# Altium PCB USB-GPIB-hammond.PcbDoc (continued)
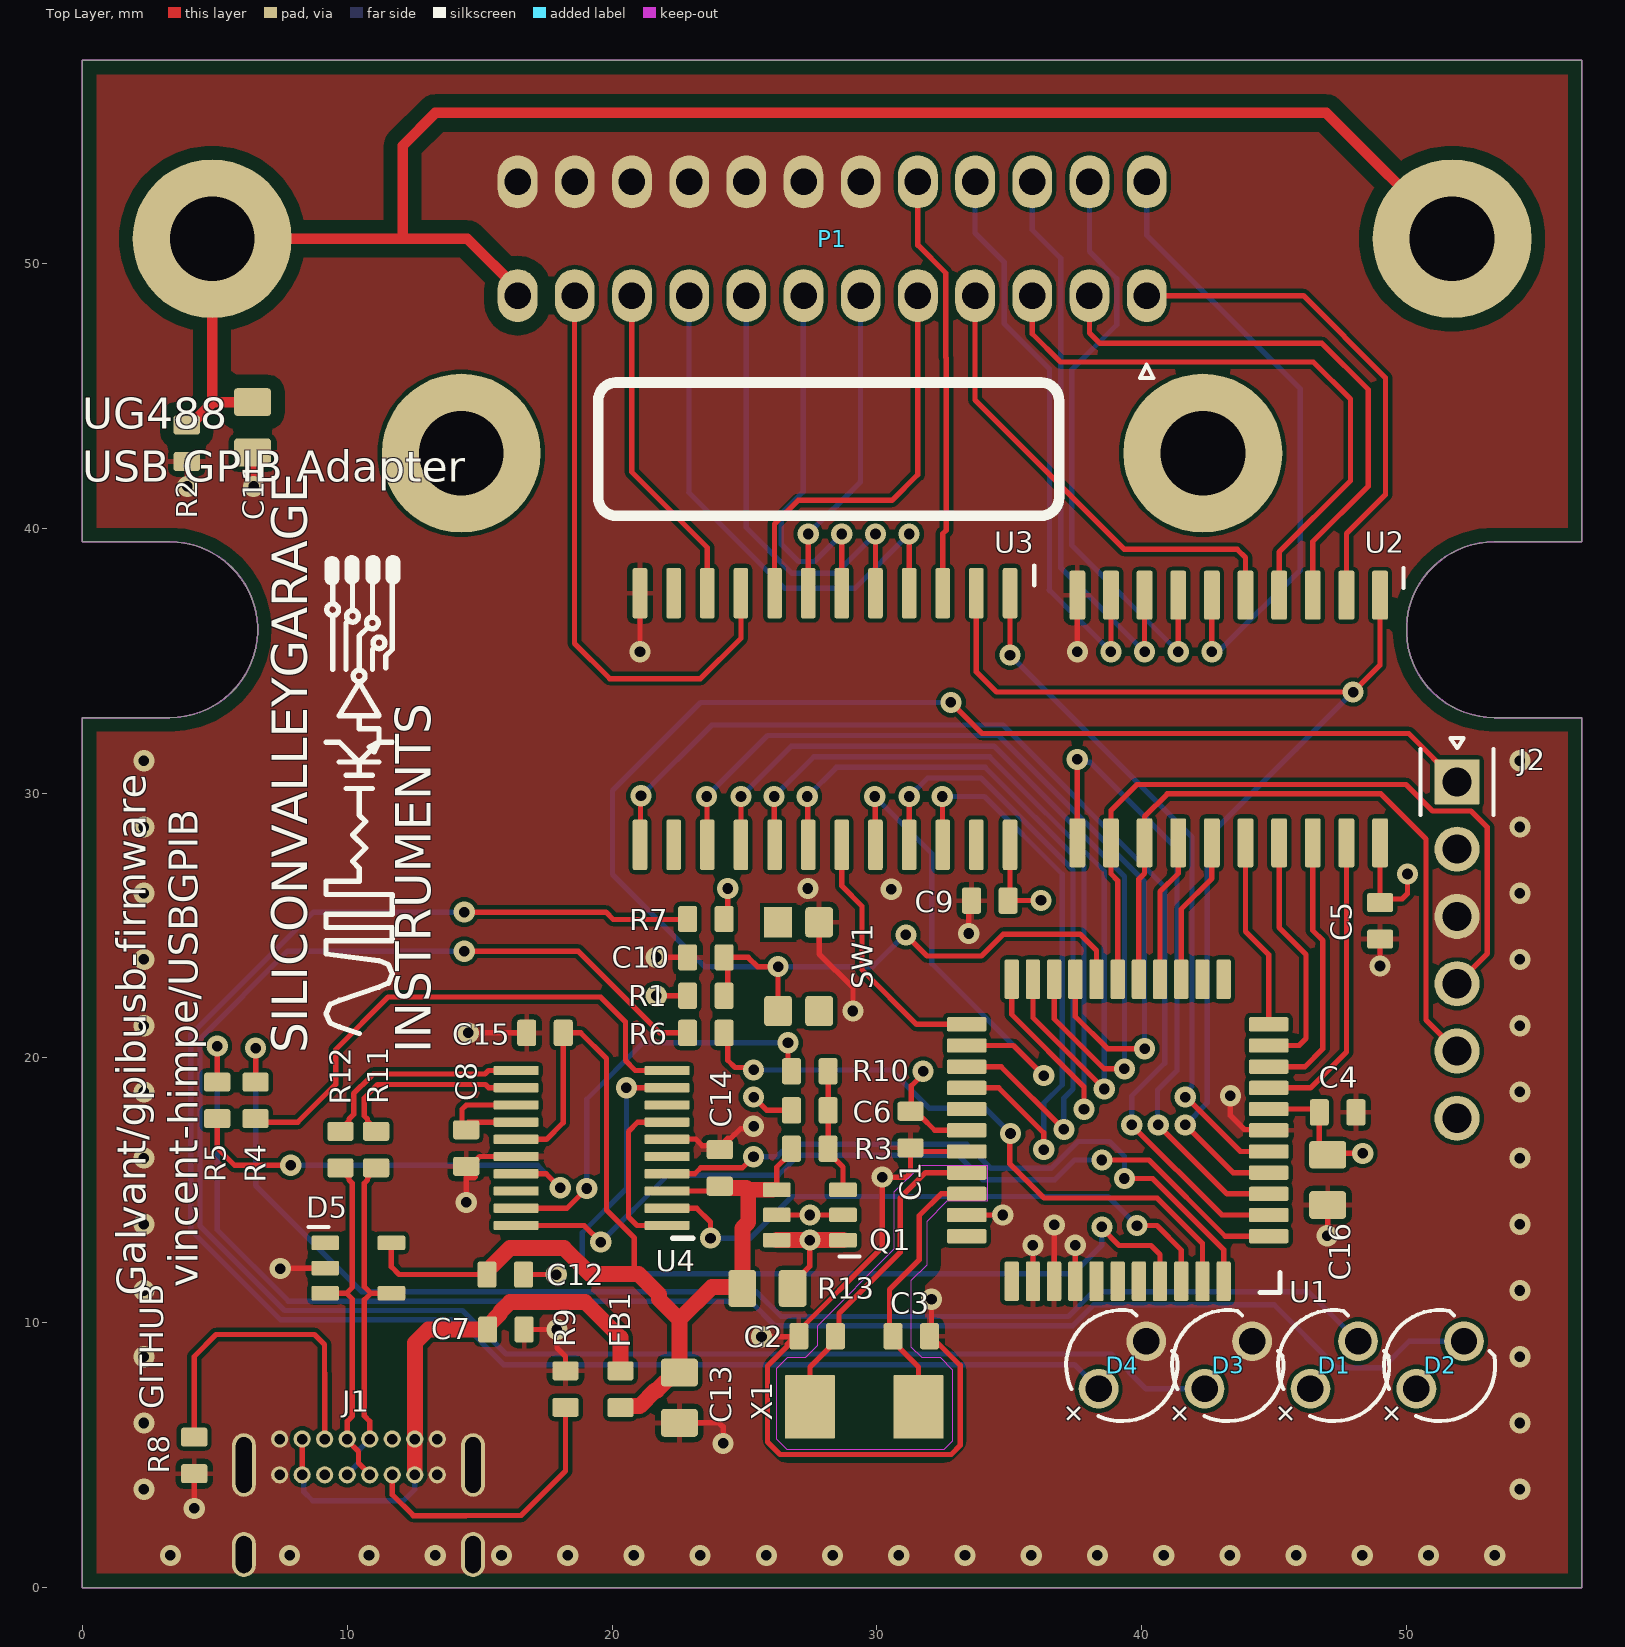
[diagram p0: Top Layer view]
## Footprints (in the part's own frame and the unit in brackets; to place one, negate y for a bottom-side part, rotate by r counter-clockwise, add the part's x,y. Pads: shape width x height; smd on the part's side, far side on the other; paste and mask are expansions set on the pad)
CAPC0603 [mm] "CAPACITOR, CHIP 0603 (1608) 0.5MM THICK"
  rrect25% 0.72x0.99 smd paste+0 mask+0.075: 1(-0.69,0) 2(0.69,0)
  body extent -0.81,-0.41 0.81,0.41, height 0.51
CAPC0805 [mm] "CAPACITOR, CHIP 0805 (2012) 0.85MM THICK"
  rrect25% 1.05x1.4 smd paste+0 mask+0.075: 1(-0.95,0) 2(0.95,0)
  body extent -1.01,-0.63 1.01,0.64, height 0.86
CONN-GCT-USB4085 [mm]
  rrect100% 0.9x2.4 hole 2.1 slot 0.6 at 0 deg paste-2539.97 mask+0.05: 1(-4.325,3.045) 2(4.325,3.045)
  rrect100% 0.9x1.7 hole 1.4 slot 0.6 at 0 deg paste-2539.97 mask+0.05: 3(-4.325,-0.335) 4(4.325,-0.335)
  round 0.65 hole 0.4 paste-2539.97 mask+0.05: A1(-2.975,4.025) A4(-2.125,4.025) A5(-1.275,4.025) A6(-0.425,4.025) A7(0.425,4.025) A8(1.275,4.025) A9(2.125,4.025) A12(2.975,4.025) B1(2.975,2.675) B4(2.125,2.675) B5(1.275,2.675) B6(0.425,2.675) B7(-0.425,2.675) B8(-1.275,2.675) B9(-2.125,2.675) B12(-2.975,2.675)
  body extent -4.87,-4.83 4.87,4.83, height 0.25
CONN-NORCOMP-112-024-113R001 [mm] "GPIB MALE RA"
  oval 1.5x2 hole 1 paste-2539.97 mask+0.05: 1(11.874,-2.146) 2(9.716,-2.146) 3(7.556,-2.146) 4(5.397,-2.146) 5(3.238,-2.146) 6(1.079,-2.146) 7(-1.079,-2.146) 8(-3.238,-2.146) 9(-5.397,-2.146) 10(-7.556,-2.146) 11(-9.716,-2.146) 12(-11.874,-2.146) 13(11.874,2.146) 14(9.716,2.146) 15(7.556,2.146) 16(5.397,2.146) 17(3.238,2.146) 18(1.079,2.146) 19(-1.079,2.146) 20(-3.238,2.146) 21(-5.397,2.146) 22(-7.556,2.146) 23(-9.716,2.146) 24(-11.874,2.146)
  round 6 hole 3.2 paste-2539.97 mask+0.254: ME1(23.406,0) ME2(-23.406,0)
  silkscreen extent 11.63,-5.25 12.12,-4.75, body extent -27.36,-4.4 27.34,20, height 15.61
FB0603 [mm] "FERRITE BEAD 0603 (1608)"
  rrect25% 0.72x0.99 smd mask+0.075: 1(-0.69,0) 2(0.7,0)
  body extent -0.8,-0.4 0.8,0.4, height 0.95
HEADER-1X6 [mm]
  rrect5% 1.7x1.7 hole 1.1 mask+0.05: 1(-6.35,0)
  round 1.7 hole 1.1 mask+0.05: 2(-3.81,0) 3(-1.27,0) 4(1.27,0) 5(3.81,0) 6(6.35,0)
  silkscreen extent -8,-1.38 -5.1,1.38, body extent -7.62,-1.27 7.62,1.27, height 8.55
LED-3MM-GREEN [mm]
  round 1.5 hole 1: 1(1.27,0) 2(-1.27,0)
  silkscreen extent -2,-2.1 1.69,2.1, body extent -1.99,-1.96 1.63,1.96, height 5.35
LOGO [mm]
  silkscreen extent -2.23,-2 2.23,2
QFP80P1200X1200-44N [mm] "TQFP80P1200X1200 44N"
  rrect25% 1.5x0.54 smd mask+0.075: 1(-5.7,4) 2(-5.7,3.2) 3(-5.7,2.4) 4(-5.7,1.6) 5(-5.7,0.8) 6(-5.7,0) 7(-5.7,-0.8) 8(-5.7,-1.6) 9(-5.7,-2.4) 10(-5.7,-3.2) 11(-5.7,-4) 23(5.7,-4) 24(5.7,-3.2) 25(5.7,-2.4) 26(5.7,-1.6) 27(5.7,-0.8) 28(5.7,0) 29(5.7,0.8) 30(5.7,1.6) 31(5.7,2.4) 32(5.7,3.2) 33(5.7,4)
  rrect25% 0.54x1.5 smd mask+0.075: 12(-4,-5.7) 13(-3.2,-5.7) 14(-2.4,-5.7) 15(-1.6,-5.7) 16(-0.8,-5.7) 17(0,-5.7) 18(0.8,-5.7) 19(1.6,-5.7) 20(2.4,-5.7) 21(3.2,-5.7) 22(4,-5.7) 34(4,5.7) 35(3.2,5.7) 36(2.4,5.7) 37(1.6,5.7) 38(0.8,5.7) 39(0,5.7) 40(-0.8,5.7) 41(-1.6,5.7) 42(-2.4,5.7) 43(-3.2,5.7) 44(-4,5.7)
  silkscreen extent -6.12,5.37 -5.37,6.12, body extent -6,-6 6,6, height 1.1
RESC0603 [mm] "RESISTOR, CHIP 0603 (1608)"
  rrect25% 0.72x0.99 smd paste+0 mask+0.075: 1(-0.69,0) 2(0.69,0)
  body extent -0.8,-0.4 0.8,0.4, height 0.37
RESC0805 [mm] "RESISTOR, CHIP 0805 (2012)"
  rrect25% 1.05x1.4 smd paste+0 mask+0.075: 1(-0.95,0) 2(0.95,0)
  body extent -1,-0.63 1,0.63, height 0.47
SO65P640X110-20N [mm] "TSSOP20 - PITCH 0.65MM, SPAN 6.4MM"
  rrect25% 1.7x0.35 smd mask+0.075: 1(-2.859,2.92) 2(-2.859,2.27) 3(-2.859,1.62) 4(-2.859,0.97) 5(-2.859,0.32) 6(-2.859,-0.33) 7(-2.859,-0.98) 8(-2.859,-1.63) 9(-2.859,-2.28) 10(-2.859,-2.93) 11(2.841,-2.93) 12(2.841,-2.28) 13(2.841,-1.63) 14(2.841,-0.98) 15(2.841,-0.33) 16(2.841,0.32) 17(2.841,0.97) 18(2.841,1.62) 19(2.841,2.27) 20(2.841,2.92)
  silkscreen extent -3.83,3.4 -3.08,3.4, body extent -3.32,-3.3 3.28,3.3, height 1.79
SO127P1030-20N [mm] "SOIC, 20-LEADS, BODY 12.80X7.50MM, PITCH 1.27MM, IPC MEDIUM DENSITY"
  rrect25% 1.85x0.6 smd mask+0.075: 1(-4.675,5.715) 2(-4.675,4.445) 3(-4.675,3.175) 4(-4.675,1.905) 5(-4.675,0.635) 6(-4.675,-0.635) 7(-4.675,-1.905) 8(-4.675,-3.175) 9(-4.675,-4.445) 10(-4.675,-5.715) 11(4.675,-5.715) 12(4.675,-4.445) 13(4.675,-3.175) 14(4.675,-1.905) 15(4.675,-0.635) 16(4.675,0.635) 17(4.675,1.905) 18(4.675,3.175) 19(4.675,4.445) 20(4.675,5.715)
  silkscreen extent -5.7,6.6 -4.95,6.6, body extent -5.15,-6.5 5.15,6.5, height 2.65
SO127P1030-24N [mm] "SOP, 24-LEADS, BODY 15.40X7.50MM, PITCH 1.27MM, IPC MEDIUM DENSITY"
  rrect25% 1.9x0.55 smd mask+0.075: 1(-4.75,6.985) 2(-4.75,5.715) 3(-4.75,4.445) 4(-4.75,3.175) 5(-4.75,1.905) 6(-4.75,0.635) 7(-4.75,-0.635) 8(-4.75,-1.905) 9(-4.75,-3.175) 10(-4.75,-4.445) 11(-4.75,-5.715) 12(-4.75,-6.985) 13(4.75,-6.985) 14(4.75,-5.715) 15(4.75,-4.445) 16(4.75,-3.175) 17(4.75,-1.905) 18(4.75,-0.635) 19(4.75,0.635) 20(4.75,1.905) 21(4.75,3.175) 22(4.75,4.445) 23(4.75,5.715) 24(4.75,6.985)
  silkscreen extent -5.8,7.9 -5.05,7.9, body extent -5.16,-7.8 5.16,7.8, height 2.65
SOT23-5 [mm] "SOT23 PACKAGE, 5 PIN (SOT25)"
  rrect25% 1.05x0.55 smd paste+0 mask+0.075: 1(-1.25,0.95) 2(-1.25,0) 3(-1.25,-0.95) 4(1.25,-0.95) 5(1.25,0.95)
  silkscreen extent -1.88,1.55 -1.12,1.55, body extent -1.4,-1.46 1.4,1.44, height 1.45
SOT23-6 [mm] "SOT23 PACKAGE, 6 PIN (SOT26)"
  rrect25% 1.05x0.55 smd paste+0 mask+0.05: 1(-1.25,0.95) 2(-1.25,0) 3(-1.25,-0.95) 4(1.25,-0.95) 5(1.25,0) 6(1.25,0.95)
  silkscreen extent -1.88,1.58 -1.12,1.58, body extent -1.4,-1.45 1.4,1.45, height 1.45
SWITCH-PANASONIC-EVP-AA202K [mm] "SWITCH-PANASONIC-EVP-AA202K"
  rect 1.15x1.05 smd mask+0.075: 1(-1.675,-0.775)
  rrect25% 1.15x1.05 smd mask+0.075: 2(1.675,-0.775) 3(1.675,0.775) 4(-1.675,0.775)
  body extent -2.15,-1.55 2.15,1.55, height 1.71
XTAL-ABRACON-ABM3 [mm]
  rrect5% 1.9x2.4 smd mask+0.05: 1(-2.05,0) 2(2.05,0)
  body extent -2.5,-1.6 2.5,1.6, height 1.31

## Part data
C1 C4 C5 C6 C7 C8 C9 C10 C12 C14 C15: library part CAPC-0603-100nF-50V-X7R, "CAPACITOR,CERAMIC,100nF,50V,X7R,0603", Capacitance=100nF, Dielectric=X7R, LCSC=C127833, Manufacturer 1=KEMET, Manufacturer Part Number 1=C0603C104K5RACTU, Package / Case=0603, Supplier Part Number 1=80-C0603C104K5R7867, Voltage=50V, MOUSER=80-C0603C104K5R, Supplier 1=Mouser, Supplier 2=Mouser, Supplier 3=Avnet, Supplier 4=Digikey, Supplier Part Number 2=80-C0603C104K5R7411, Supplier Part Number 3=KGM15BR71H104KT, Supplier Part Number 4=1276-1000-1-ND
C2 C3: library part CAPC-0603-18PF-50V-C0G, "CAPACITOR,CERAMIC,18pF,50V,C0G,0603", Capacitance=18pF, Dielectric=C0G, LCSC=C2169518, Manufacturer 1=KEMET, Manufacturer Part Number 1=C0603C180K5GACTU, Package / Case=0603, Voltage=50V, MOUSER=80-C0603C180K5G
C11: library part CAPC-0805-10nF-200V-ESD, "CAPACITOR,CERAMIC,10nF,200V,X7R,0805,ESD", Capacitance=10nF, Dielectric=X7R, LCSC=C36911368, Manufacturer 1=KEMET, Manufacturer Part Number 1=C0805C103K2RECAUTO, Package / Case="0805 (2012 metric)", Supplier Part Number 1=80-C0805C103K2RECAUT, Voltage=200V, MOUSER=80-C0805C103K2RECAUT, Supplier 1=Mouser
C13 C16: library part CAPC-0805-10uF-25V, "CAPACITOR,CERAMIC,10uF,25V,X5R,0805", Capacitance=10uF, Dielectric=X7R, LCSC=C3039694, Manufacturer 1=SAMSUNG, Manufacturer Part Number 1=CL21B106KAYQNNE, Package / Case="0805 (2012 metric)", Voltage=25V, MOUSER=187-CL21B106KAYQNNE
D1 D2 D3 D4: "LED,TH,GREEN,42mCd,3MM", Manufacturer 1=WURTH, Manufacturer Part Number 1=151031VS06000, Supplier Part Number 1=78-VLMPG33N1P2, MOUSER=78-VLMPG33N1P2, Supplier 1=Mouser
D5: "DIODE,TVS,DUAL,UNIDIRECTIONAL,USB", LCSC=C22358704, Manufacturer 1=WURTH, Manufacturer Part Number 1=824011, Supplier Part Number 1=732-4465-1-ND, DIGIKEY=732-4465-1-ND, MOUSER=710-824011, Supplier 1=Digikey
FB1: library part FB0603-1KZ-0R2, "FERRITE,1KZ@100MHz,0R2DC,0603", LCSC=C160982, Manufacturer 1=MURATA, Manufacturer Part Number 1=BLM18KG102SN1D, MOUSER=81-BLM18KG102SN1D, Supplier 1="Arrow Electronics", Supplier Part Number 1=BLM18KG102SN1D
G***: library part LOGO, "OSHW LOGO"
J1: "CONN,USB-C,16P,RA,TH,8.94X9.17", LCSC=C7095263, Manufacturer 1=GCT, Manufacturer Part Number 1=USB4085-GF-A, Supplier Part Number 1=2073-USB4085-GF-ACT-ND, MOUSER=640-USB4085-GF-A, Supplier 1=Digikey
P1: "CONN,GPIB,24P,RIGHT ANGLE,TH", Manufacturer 1=NORCOMP, Manufacturer Part Number 1=112-024-113R001, Supplier Part Number 1=1024RMA-ND, MOUSER=636-112-024-113R001, Supplier 1=Digikey
Q1: library part XSTR-VISHAY-SI3443CDV-T1-E3, "XSTR,PMOS,20V,5.97A,VISHAY,SI3443,SOT26", LCSC=C727385, Manufacturer 1=VISHAY, Manufacturer Part Number 1=SI3443CDV-T1-E3, DIGIKEY=SI3443CDV-T1-GE3, MOUSER=781-SI3443CDV-GE3
R1 R3: library part RESC-0603-10K-1%-1/10W, "RESISTOR,10K,1%,100mW,0603 (1608)", LCSC=C98220, Manufacturer 1=YAGEO, Manufacturer Part Number 1=RC0603FR-0710KL, Power=1/10W, Supplier Part Number 1=4023214, Tolerance=1%, MOUSER=603-RC0603FR-0710KL, Supplier 1="Future Electronics", Supplier 2=Digikey, Supplier 3=Mouser, Supplier Part Number 2=RMCF0603FT10K0CT-ND, Supplier Part Number 3=667-ERJ-3EKF1002V
R2: library part RESC-0603-4K7-1%-1/10W, "RESISTOR,4K7,1%,100mW,0603 (1608)", LCSC=C99782, Manufacturer 1=YAGEO, Manufacturer Part Number 1=RC0603FR-074K7L, Power=1/10W, Supplier Part Number 1=5489695, Tolerance=1%, MOUSER=603-RC0603FR-074K7L, Supplier 1="Future Electronics", Supplier 2=Digikey, Supplier 3=Digikey, Supplier 4=Avnet, Supplier Part Number 2=P4.70KHCT-ND, Supplier Part Number 3=RMCF0603FT4K70CT-ND, Supplier Part Number 4=1622960-1
R4 R5 R6 R7 R10: library part RESC-0603-1K-1%-1/10W, "RESISTOR,1K,1%,100mW,0603 (1608)", LCSC=C22548, Manufacturer 1=YAGEO, Manufacturer Part Number 1=RC0603FR-071KL, Power=1/10W, Tolerance=1%, MOUSER=603-RC0603FR-071KL
R8 R9: library part RESC-0603-5K1-1%-1/10W, "RESISTOR,5K1,1%,100mW,0603 (1608)", LCSC=C105580, Manufacturer 1=YAGEO, Manufacturer Part Number 1=RC0603FR-075K1L, Power=1/10W, Tolerance=1%, MOUSER=603-RC0603FR-075K1
R11 R12: library part RESC-0603-27R-1%-1/10W, "RESISTOR,27R,1%,100mW,0603 (1608)", LCSC=C137753, Manufacturer 1=YAGEO, Manufacturer Part Number 1=RC0603FR-0727RL, Power=1/10W, Tolerance=1%, MOUSER=603-RC0603FR-0727RL
R13: library part RESC-0805-0R-JUMPER, "RESISTOR,0R,JUMPER", LCSC=C96345, Manufacturer 1=YAGEO, Manufacturer Part Number 1=RC0805JR-070RL, Power=1/8W, Tolerance=5%, MOUSER=603-RC0805JR-070RL
SW1: "SW,SMD,TACT,4PIN,2.9X3.5,4PIN", LCSC=C483888, Supplier Part Number 1=667-EVP-AA202K, DIGIKEY=EVP-AA202K, MOUSER=667-EVP-AA202K, Supplier 1=Mouser
U1: library part IC-MICROCHIP-PIC18F4520, "IC,CPU,MICROCHIP,PIC18F4520,TQFP44", LCSC=C9734, Manufacturer 1=MICROCHIP, Manufacturer Part Number 1=PIC18F4520-I/PT, MOUSER=579-PIC18F4520-I/PT
U2: library part IC-TI-SN75160B, "IC,XCVR,GPIB,DATA.TI,SN75160DW,SO20W", LCSC=C882412, Manufacturer 1=TI, Manufacturer Part Number 1=SN75160BDWR, MOUSER=595-SN75160BDW
U3: library part IC-TI-SN75162B, "IC,XCVR,GPIB,CONTROL,TI,SN75162DW,SO24W", LCSC=C2863933, Manufacturer 1=TI, Manufacturer Part Number 1=SN75162BDW, MOUSER=595-SN75162BDWR
U4: "IC,XCVR,USB UART,FTDI,FT231XS-R,TSSOP20", LCSC=C132160, Manufacturer 1=FTDI, Manufacturer Part Number 1=FT231XS-R, MOUSER=895-FT231XS-R
X1: library part XTAL-ABRACON-ABM3-18.432MHZ-D2Y-T, "XTAL,18.432MHz,ABRACON ABM3,SMD5032", Frequency=18.432MHz, LCSC=C1985331, Manufacturer 1=ABRACON, Manufacturer Part Number 1=ABM3-18.432MHZ-D2Y-T, MOUSER=815-ABM3-18.43-D2Y-T

## Free pads (board coordinates)
  round 6 hole 3.2 unplated: ME5(42.305,42.83) ME6(14.305,42.83)

## Via types
v1: diameter 0.8, hole 0.4, Top Layer to Bottom Layer, tented both sides, 127 vias
v2: diameter 0.8, hole 0.4, Top Layer to Bottom Layer, 4 vias

## Nets (pads, with @x,y where several pads share a name; then routed paths per layer and width w, separated by ;. In a path a pad name is that pad's centre, name@x,y a point inside that pad or via, vN(x,y) a via of type N, cw(c..) or ccw(c..) an arc to the next point about the centre after c; other vN are vias at no path point)
ATN: U1.20 U3.16 | length 31.3
  Top Layer w0.2: U3.16 24.864,28.045 24.864,29.868 v1(24.866,29.87) ; U1.20 36.687,21.477 38.579,19.586 v1(39.341,19.586)
  Bottom Layer w0.2: v1(24.866,29.87) 26.766,31.77 34.42,31.77 39.341,26.849 v1(39.341,19.586)
DAV: U1.22 U3.18 | length 29.5
  Top Layer w0.2: v1(27.366,29.87) 27.384,29.851 27.384,28.062 U3.18 ; U1.22 35.087,21.635 37.817,18.906 v1(37.817,18.062)
  Bottom Layer w0.2: v1(27.366,29.87) 28.466,30.97 34.089,30.97 37.817,27.242 v1(37.817,18.062)
DC: U1.2 U3.13 | length 41.4
  Top Layer w0.2: U3.13 21.072,28.063 21.072,29.876 v1(21.091,29.895) ; v1(39.616,17.47) 43.018,14.067 U1.2
  Bottom Layer w0.2: v1(21.091,29.895) 23.766,32.57 34.751,32.57 40.866,26.456 40.866,19.801 39.616,18.551 v1(39.616,17.47)
DIO1: U1.8 U2.19 | length 11.4
  Top Layer w0.2: U1.8 46.369,18.867 47.723,20.221 47.723,23.904 U2.19
DIO2: U1.9 U2.18 | length 10.3
  Top Layer w0.2: U1.9 46.153,19.667 46.834,20.348 46.834,23.904 46.834,24.427 46.453,24.808 U2.18
DIO3: U1.10 U2.17 | length 9.3
  Top Layer w0.2: U1.10 45.937,20.467 46.199,20.729 46.199,23.904 45.183,24.92 U2.17
DIO4: U1.11 U2.16 | length 7.2
  Top Layer w0.2: U2.16 43.913,24.778 44.787,23.904 U1.11
DIO5: U1.14 U2.15 | length 5.6
  Top Layer w0.2: U1.14 41.487,23.904 41.487,25.616 42.643,26.772 U2.15
DIO6: U1.15 U2.14 | length 5.4
  Top Layer w0.2: U1.15 40.687,23.904 40.687,26.277 41.373,26.963 U2.14
DIO7: J2.5 U1.16 U2.13 | length 26.4
  Top Layer w0.2: U1.16 39.887,26.748 40.103,26.964 U2.13 40.103,29.111 40.962,29.97 49.021,29.97 50.728,28.263 50.728,21.432 J2.5
DIO8: J2.4 U1.17 U2.12 | length 28.1
  Top Layer w0.2: U1.17 39.087,26.698 38.833,26.953 U2.12 38.833,29.344 39.811,30.322 49.971,30.322 50.975,29.318 52.429,29.318 53.043,28.704 53.043,23.943 J2.4
EOI: U1.21 U3.17 | length 30.2
  Top Layer w0.2: v1(26.116,29.87) 26.124,29.861 26.124,28.052 U3.17 ; U1.21 35.887,21.515 v1(38.579,18.824)
  Bottom Layer w0.2: v1(26.116,29.87) 27.616,31.37 34.254,31.37 38.579,27.045 v1(38.579,18.824)
ERROR: R6.1 U1.43 | length 24
  Top Layer w0.2: R6.1@24.366,20.945 24.366,19.912 24.641,19.637 25.248,19.637 v1(25.341,19.545) ; v1(35.041,17.145) 35.016,17.12 35.016,15.995 36.303,14.707 40.578,14.707 42.287,12.998 U1.43
  Bottom Layer w0.2: v1(25.341,19.545) 30.526,19.545 31.967,18.103 34.082,18.103 v1(35.041,17.145)
FT_CTS: U1.41 U4.9 | length 33.4
  Top Layer w0.2: v1(20.541,18.87) 20.543,18.872 22.072,18.872 U4.9 ; v1(38.491,13.62) 38.491,13.57 39.141,12.92 40.341,12.92 40.687,12.573 U1.41
  Bottom Layer w0.2: v1(20.541,18.87) 20.541,15.066 18.874,13.4 18.874,12.361 19.39,11.845 37.405,11.845 38.491,12.93 v1(38.491,13.62)
FT_RTS: U1.42 U4.2 | length 23
  Top Layer w0.2: U4.2@22.003,14.322 23.191,14.322 23.716,13.797 v1(23.716,13.195) ; v1(39.816,13.67) 40.566,13.67 41.487,12.748 U1.42
  Bottom Layer w0.2: v1(23.716,13.195) 25.219,13.195 26.794,14.77 27.944,14.77 27.947,14.767 38.718,14.767 v1(39.816,13.67)
FT_RXD: U1.44 U4.4 | length 25.6
  Top Layer w0.2: U4.4 23.121,15.625 23.348,15.853 24.921,15.853 v1(25.338,16.27) ; v1(39.341,15.445) 40.406,15.445 43.087,12.764 U1.44
  Bottom Layer w0.2: v1(25.338,16.27) 26.231,16.27 26.698,16.737 33.387,16.737 34.286,15.838 36.583,15.838 37.59,16.845 38.781,16.845 39.341,16.285 v1(39.341,15.445)
FT_TXD: U1.1 U4.20 | length 31.9
  Top Layer w0.2: U4.20 17.921,13.675 18.944,13.675 v1(19.574,13.045) ; v1(38.491,16.145) 40.272,16.145 43.15,13.267 U1.1
  Bottom Layer w0.2: v1(19.574,13.045) 22.099,15.57 26.272,15.57 27.022,16.32 33.072,16.32 33.994,15.397 36.707,15.397 37.455,16.145 v1(38.491,16.145)
G_ATN: P1.11 U3.9 | length 22.3
  Top Layer w0.2: 18.576,35.651 19.91,34.318 23.339,34.318 24.863,35.842 U3.9 ; 18.584,35.651 18.584,48.772 P1.11
G_DAV: P1.6 U3.7 | length 12.1
  Top Layer w0.2: U3.7 v1(27.403,39.779)
  Bottom Layer w0.2: v1(27.403,39.779) 29.371,41.747 ; 29.379,41.747 29.379,48.772 P1.6
G_DIO1: P1.1 U2.2 | length 19.1
  Top Layer w0.2: P1.1 46.096,48.779 49.2,45.675 49.2,41.265 ; U2.2 47.723,39.795 49.193,41.265
G_DIO2: P1.2 U2.3 | length 21.4
  Top Layer w0.2: P1.2 38.021,47.371 38.418,46.975 46.8,46.975 48.55,45.225 48.55,41.578 ; U2.3 46.453,39.488 48.543,41.578
G_DIO3: P1.3 U2.4 | length 23
  Top Layer w0.2: P1.3 35.862,47.338 36.925,46.275 46.469,46.275 47.875,44.869 47.875,41.778 ; U2.4 45.183,39.093 47.868,41.778
G_DIO4: P1.4 U2.5 | length 18
  Top Layer w0.2: P1.4 33.697,48.772 33.697,44.841 39.337,39.2 43.602,39.2 43.913,38.89 U2.5
G_DIO5: P1.13 U2.6 | length 23.8
  Top Layer w0.2: v1(42.643,35.334) 42.643,35.461 U2.6
  Bottom Layer w0.2: P1.13 40.18,51.07 45.975,45.275 45.975,38.403 ; v1(42.643,35.334) 42.757,35.449 43.013,35.449 45.968,38.403
G_DIO6: P1.14 U2.7 | length 22.5
  Top Layer w0.2: v1@41.373,35.461 U2.7
  Bottom Layer w0.2: 37.343,39.364 v1(41.373,35.334) ; 37.35,39.364 37.35,45.975 39.053,47.678 39.053,49.414 38.021,50.446 P1.14
G_DIO7: P1.15 U2.8 | length 21.5
  Top Layer w0.2: v1@40.103,35.461 U2.8
  Bottom Layer w0.2: P1.15 35.862,51.263 36.935,50.19 36.935,38.509 ; 36.928,38.509 v1(40.103,35.334)
G_DIO8: P1.16 U2.9 | length 21.9
  Top Layer w0.2: v1@38.833,35.461 U2.9
  Bottom Layer w0.2: P1.16 33.703,51.147 34.802,50.048 34.802,47.723 36.513,46.012 36.513,37.653 ; 36.506,37.661 36.513,37.653 ; 36.513,37.639 36.513,37.653 ; v1(38.833,35.334) 36.513,37.653
G_EOI: P1.5 U3.8 | length 15.5
  Top Layer w0.2: U3.8 26.133,40.16 27.022,41.049 30.562,41.049 31.53,42.017 ; 31.538,42.017 31.538,48.772 P1.5
G_IFC: P1.9 U3.4 | length 20.3
  Top Layer w0.2: U3.4 v1(31.213,39.779)
  Bottom Layer w0.2: 22.894,41.347 26.51,37.731 29.164,37.731 v1(31.213,39.779) ; 22.902,41.347 22.902,48.772 P1.9
G_NDAC: P1.8 U3.5 | length 17.2
  Top Layer w0.2: U3.5 v1(29.943,39.779)
  Bottom Layer w0.2: 25.053,40.032 26.793,38.292 28.456,38.292 v1(29.943,39.779) ; 25.061,40.032 25.061,48.772 P1.8
G_NRFD: P1.7 U3.6 | length 14.9
  Top Layer w0.2: U3.6 v1(28.673,39.779)
  Bottom Layer w0.2: 27.212,41.375 26.391,40.553 26.391,39.389 27.036,38.744 27.638,38.744 v1(28.673,39.779) ; 27.22,41.375 27.22,48.772 P1.7
G_REN: P1.17 U3.3 | length 16
  Top Layer w0.2: P1.17 31.544,50.682 32.594,49.632 32.594,46.448 32.617,46.425 32.617,39.914 ; U3.3 32.483,39.787 32.61,39.914
G_SRQ: P1.10 U3.10 | length 12.4
  Top Layer w0.2: 20.735,42.128 23.593,39.271 U3.10 ; 20.743,42.128 20.743,48.772 P1.10
GND: C1.2 C2.2 C3.2 C4.2 C5.2 C7.2 C8.2 C9.2 C10.2 C11.2 C12.2 C13.2 C14.2 C15.2 C16.2 D3.1 D4.1 D5.2 J1.1 J1.2 J1.3 J1.4 J1.A1 J1.A12 J1.B1 J1.B12 J2.3 P1.18 P1.19 P1.20 P1.21 P1.22 P1.23 P1.24 R2.2 R8.1 R9.2 SW1.4 U1.6 U1.29 U1.32 U1.35 U1.36 U1.37 U2.10 U3.12 U4.6 U4.16 | length 71.8
  Top Layer w0.2: v1(3.967,41.577) R2.2@3.967,42.522 ; v1(4.223,2.992) R8.1 ; v1(6.467,41.577) C11.2@6.467,42.799 ; v1(7.469,12.046) 7.477,12.055 8.992,12.055 D5.2@9,12.046 ; v1(14.491,14.545) 14.491,15.47 14.796,15.47 14.831,15.505 ; C8.2@14.491,15.77 14.566,15.77 14.866,16.07 14.866,16.145 14.996,16.275 U4.16 ; v1(14.566,20.945) C15.2@16.655,20.945 ; C12.2@16.791,11.82 v1(17.891,11.82) ; C7.2@16.891,9.745 v1(17.916,9.745) 17.916,9.045 18.241,8.72 R9.2@18.241,8.32 ; v1(21.053,35.334) U3.12 ; v1(21.666,23.795) 22.466,23.795 ; U4.6@21.723,16.935 23.156,16.935 23.408,16.683 C14.2@24.078,16.683 ; U4.6 U4.6@22.15,16.85 ; C13.2 24.041,6.22 24.191,6.07 v1(24.191,5.445) ; C14.2@23.766,16.37 C14.2@24.078,16.683 ; C14.2@24.153,16.683 C14.2@24.078,16.683 ; v1(25.341,17.42) 25.246,17.325 24.846,17.325 24.491,16.97 24.366,16.97 C14.2@24.078,16.683 ; v1(25.641,9.47) 26.894,9.47 26.915,9.491 26.615,9.191 26.615,9.116 25.866,8.367 25.866,5.504 26.341,5.029 32.803,5.029 33.141,5.367 33.141,8.396 32.121,9.416 32.121,9.491 32.058,9.554 v1(32.058,10.888) ; C2.2@26.915,9.566 30.196,12.848 v1(30.196,15.501) 30.207,15.49 31.095,15.49 31.266,15.66 C1.2 ; SW1.4 27.816,23.927 29.091,22.652 v1(29.091,21.77) ; C1.2@31.068,16.347 C1.2@31.068,16.372 ; C1.2@31.534,16.467 U1.29 ; U1.32@33.367,14.067 U1.32 v1(34.746,14.067) ; C9.2@33.456,25.936 33.466,25.926 v1(33.466,24.695) ; U1.35@35.887,11.547 U1.35 v1(35.887,12.926) ; U1.36@36.687,11.587 36.689,11.589 36.689,13.693 v1(36.691,13.695) ; U1.37@37.487,11.547 U1.37 v1(37.487,12.926) ; v1(37.566,35.334) 37.566,36.52 ; v1(43.341,18.57) 43.341,17.826 43.869,17.297 44.757,17.297 U1.6 ; v1@47.016,13.305 C16.2 ; C4.2 C4.2@48.098,17.962 ; v1(48.991,23.47) 48.991,24.367 C5.2@48.993,24.369
  other v1: 3.323,1.217 7.823,1.217 10.823,1.217 13.323,1.217 15.823,1.217 18.323,1.217 20.823,1.217 23.323,1.217 25.823,1.217 28.323,1.217 30.823,1.217 33.323,1.217 35.823,1.217 38.323,1.217 40.823,1.217 43.323,1.217 45.823,1.217 48.323,1.217 50.823,1.217 53.323,1.217 2.323,3.717 54.273,3.717 2.323,6.217 54.273,6.217 2.323,8.717 54.273,8.717 2.323,11.217 54.273,11.217 46.998,13.287 2.323,13.717 54.273,13.717 2.323,16.217 54.273,16.217 2.323,18.717 54.273,18.717 2.323,21.217 54.273,21.217 2.323,23.717 54.273,23.717 2.323,26.217 54.273,26.217 30.541,26.37 27.391,26.395 2.323,28.717 54.273,28.717 2.323,31.217 54.273,31.217
IFC: U1.25 U3.21 | length 24.3
  Top Layer w0.2: U3.21 31.214,28.045 31.214,29.868 v1(31.216,29.87) ; U1.25 34.687,19.667 v1(37.055,17.3)
  Bottom Layer w0.2: v1(31.216,29.87) 31.916,30.57 33.923,30.57 37.399,27.094 37.399,18.826 37.055,18.482 v1(37.055,17.3)
NDAC: U1.24 U3.20 | length 18.4
  Top Layer w0.2: v1(29.916,29.87) 29.929,29.856 29.929,28.057 U3.20 ; U1.24 33.391,20.471 35.153,20.471 v1(36.293,19.332)
  Bottom Layer w0.2: v1(29.916,29.87) 32.066,27.72 32.066,23.559 v1(36.293,19.332)
NetC2_1: C2.1 U1.30 X1.1 | length 12.2
  Top Layer w0.2: X1.1 27.468,8.324 28.26,9.116 28.265,9.116 28.565,9.416 28.565,9.491 28.565,10.344 30.876,12.655 30.876,14.705 31.838,15.667 U1.30
NetC3_1: C3.1 U1.31 X1.2 | length 10.3
  Top Layer w0.2: X1.2 31.568,8.324 30.776,9.116 30.771,9.116 30.471,9.416 30.471,9.491 30.471,11.25 31.591,12.37 31.591,14.041 32.417,14.867 U1.31
NetC6_2: C6.2 Q1.3 R3.1 R10.2 | length 4.7
  Top Layer w0.2: R3.1 28.156,16.435 28.716,15.875 Q1.3 ; R3.1@28.156,16.705 28.156,17.885 28.291,18.02 28.156,18.155 28.156,19.36 R10.2@28.291,19.495
NetC8_1: C8.1 U4.13 U4.14 | length 4.7
  Top Layer w0.2: 14.497,18.225 14.333,18.061 14.333,17.411 14.408,17.411 C8.1@14.534,17.537 ; C8.1@14.572,17.575 U4.14 ; 14.572,18.225 U4.13
NetC10_1: C10.1 J2.1 R1.2 SW1.2 U1.18 | length 65.1
  Top Layer w0.2: R1.2@24.366,22.345 24.366,23.795 25.136,23.795 25.486,23.445 v1(26.266,23.445) SW1.2 ; v1(31.091,24.645) 31.891,23.845 33.947,23.845 34.772,24.67 37.668,24.67 38.287,24.051 U1.18 ; v1(32.791,33.42) 33.966,32.245 50.075,32.245 J2.1
  Bottom Layer w0.2: v1(31.091,24.645) 31.041,24.645 29.841,23.445 v1(26.266,23.445) 23.491,23.445 20.016,26.92 20.016,30.095 23.341,33.42 v1(32.791,33.42)
NetC12_1: C12.1 C13.1 C14.1 C15.1 D5.5 FB1.2 Q1.4 R3.2 R13.1 U4.3 U4.15 | length 46.8
  Top Layer w0.2: D5.5 11.667,12.113 11.96,11.82 C12.1 ; U4.15 17.525,16.925 18.156,17.556 18.156,20.81 18.291,20.945 18.816,20.945 19.791,19.97 19.791,14.253 20.841,13.203 20.841,11.995 ; U4.3 24.021,14.975 C14.1@24.066,15.02 ; Q1.4 26.216,15.875 26.641,16.3 R3.2@26.641,16.57
  Top Layer w0.6: C12.1@15.216,11.895 15.76,12.439 15.76,12.441 16.139,12.82 18.183,12.82 19.158,11.845 20.991,11.845 21.766,11.07 21.766,10.898 22.541,10.123 ; FB1.2 20.376,6.855 21.038,6.855 21.628,7.445 21.691,7.445 22.366,8.12 C13.1 22.541,10.123 ; C14.1@24.066,15.095 25.066,15.095 25.141,15.02 ; R13.1 24.916,13.569 25.141,13.794 25.141,15.02 ; R13.1@25.141,11.345 23.763,11.345 22.541,10.123 ; Q1.4@26.066,15.02 25.141,15.02
NetD1_1: D1.1 R4.2 | length 51.3
  Top Layer w0.2: R4.2 v2(6.541,20.37)
  Bottom Layer w0.2: v2(6.541,20.37) 6.541,15.181 10.553,11.168 25.453,11.168 26.385,10.236 37.228,10.236 38.161,11.169 46.294,11.169 D1.1
NetD2_1: D2.1 R5.2 | length 58.5
  Top Layer w0.2: R5.2@5.091,19.22 v2(5.091,20.445)
  Bottom Layer w0.2: v2(5.091,20.445) 5.091,13.502 7.777,10.816 25.217,10.816 26.149,9.884 37.387,9.884 38.178,10.674 44.996,10.674 47.372,8.299 49.088,8.299 50.09,9.301 D2.1
NetD3_2: D3.2 R6.2 | length 68.6
  Top Layer w0.2: v2(14.418,24.028) 18.718,24.028 21.801,20.945 R6.2
  Bottom Layer w0.2: v2(14.418,24.028) 7.752,24.028 4.439,20.715 4.439,13.657 7.631,10.464 14.355,10.464 16.001,8.818 38.849,8.818 40.162,7.505 D3.2
NetD4_2: D4.2 R7.2 | length 64.9
  Top Layer w0.2: v2(14.418,25.503) 19.768,25.503 20.043,25.228 22.835,25.228 R7.2
  Bottom Layer w0.2: v2(14.418,25.503) 8.729,25.503 4.087,20.861 4.087,13.511 7.486,10.112 14.209,10.112 15.903,8.417 37.453,8.417 D4.2
NetJ1_A5: J1.A5 R8.2 | length 12
  Top Layer w0.2: R8.2 4.223,8.192 4.223,8.728 5.049,9.553 8.768,9.553 9.142,9.179 9.142,8.113 9.149,8.105 J1.A5
NetJ1_B5: J1.B5 R9.1 | length 10.6
  Top Layer w0.2: J1.B5@11.7,4.25 11.7,3.512 12.494,2.717 14.484,2.717 14.493,2.727 16.567,2.727 18.241,4.401 R9.1@18.241,6.67
NetR10_1: R10.1 U4.19 | length 15.9
  Top Layer w0.2: U4.19 16.378,14.322 18.293,14.322 v1(19.041,15.07) ; R10.1@26.641,19.495 v1(26.641,20.57)
  Bottom Layer w0.2: v1(19.041,15.07) 19.041,18.438 21.173,20.57 v1(26.641,20.57)
NetR11_2: R11.2 U4.12 | length 7.8
  Top Layer w0.2: 11.067,18.913 10.961,18.807 ; R11.2@11.092,17.363 11.017,17.363 10.767,17.613 10.767,17.688 10.643,17.812 10.643,18.489 10.855,18.701 ; 11.099,18.938 10.964,18.803 10.862,18.701 10.855,18.701 ; U4.12 15.334,18.875 15.214,18.995 14.798,18.995 13.098,18.995 11.148,18.995 10.961,18.807 ; 10.855,18.701 10.961,18.807
NetR12_2: R12.2 U4.11 | length 8.1
  Top Layer w0.2: R12.2@9.742,17.363 9.817,17.363 10.067,17.613 10.067,17.688 10.243,17.864 10.243,18.655 10.854,19.266 ; 10.926,19.338 10.854,19.266 ; U4.11 15.334,19.525 15.204,19.395 14.666,19.395 12.925,19.395 10.983,19.395 10.854,19.266
NetU4_1: U4.1 U4.7 | length 6.4
  Top Layer w0.2: U4.1 20.94,13.675 20.616,14 20.616,17.222 20.969,17.575 U4.7
NRFD: U1.23 U3.19 | length 9.8
  Top Layer w0.2: U3.19 28.673,26.488 29.435,25.726 29.435,23.326 31.493,21.267 U1.23
PE: U1.3 U2.11 | length 24.3
  Top Layer w0.2: U2.11 v1(37.563,31.27) ; v1(40.616,17.47) 43.218,14.867 U1.3
  Bottom Layer w0.2: v1(37.563,31.27) 37.667,31.165 38.048,31.165 41.325,27.888 41.325,19.519 40.591,18.785 40.591,17.495 v1(40.616,17.47)
REN: U1.26 U3.22 | length 22.5
  Top Layer w0.2: v1(32.466,29.87) 32.474,29.861 32.474,28.052 U3.22 ; U1.26 34.598,18.867 36.293,17.173 v1(36.293,16.538)
  Bottom Layer w0.2: v1(32.466,29.87) 34.057,29.87 36.993,26.934 36.993,18.986 36.293,18.286 v1(36.293,16.538)
RXLED: R5.1 U4.17 | length 16.4
  Top Layer w0.2: R5.1@5.091,17.57 5.091,16.595 5.741,15.945 v1(7.866,15.945) ; U4.17 17.51,15.625 v1(18.041,15.095)
  Bottom Layer w0.2: v1(7.866,15.945) 17.191,15.945 v1(18.041,15.095)
SC: U1.5 U3.1 | length 26
  Top Layer w0.2: v1(35.023,35.207) U3.1 ; v1(41.641,18.52) 41.666,18.52 43.718,16.467 U1.5
  Bottom Layer w0.2: v1(35.023,35.207) 41.891,28.339 41.891,18.932 41.641,18.682 v1(41.641,18.52)
SHIELD: C11.1 P1.12 P1.ME1 P1.ME2 R2.1 | length 67.2
  Top Layer w0.4: R2.1 4.077,43.892 4.944,44.76 ; C11.1 4.944,44.76 ; P1.12 16.431,49.029 14.535,50.925 12.091,50.925 ; P1.ME1 46.962,55.675 13.325,55.675 12.091,54.441 12.091,50.925 ; 4.944,44.76 4.9,44.804 P1.ME2 12.091,50.925
SRQ: U1.19 U3.15 | length 32.4
  Top Layer w0.2: v1(23.566,29.87) 23.579,29.856 23.579,28.057 U3.15 ; U1.19 37.487,21.566 38.706,20.348 v1(40.103,20.348)
  Bottom Layer w0.2: v1(23.566,29.87) 25.866,32.17 34.586,32.17 40.103,26.653 v1(40.103,20.348)
TE: U1.4 U2.1 U3.2 | length 44.5
  Top Layer w0.2: U3.2 33.753,34.572 34.515,33.81 v1(47.977,33.81) 48.993,34.826 U2.1 ; v1(41.641,17.47) 43.452,15.658 44.778,15.658 U1.4
  Bottom Layer w0.2: v1(41.641,17.47) 42.466,18.295 42.466,28.299 45.823,31.656 v1(47.977,33.81)
TXLED: R4.1 U4.10 | length 20.3
  Top Layer w0.2: R4.1@6.541,17.57 8.129,17.57 9.566,19.007 9.566,20.32 11.541,22.295 19.566,22.295 20.502,21.359 20.502,19.899 20.875,19.525 U4.10
USB_N: D5.4 J1.A7 J1.B7 R11.1 | length 13.3
  Top Layer w0.2: J1.A7@10.767,5.716 10.85,5.633 10.85,5.716 10.85,6.278 10.65,6.478 10.643,6.485 10.643,8.948 10.643,10.864 10.892,11.113 ; R11.1@11.092,15.713 11.017,15.713 10.767,15.463 10.767,15.388 10.643,15.264 10.643,11.362 10.892,11.113 ; D5.4@11.767,11.113 10.892,11.113
  Bottom Layer w0.2: J1.B7@10,4.25 10,4.286 10.424,4.71 10.424,5.14 ; 10.424,5.173 10.85,5.599 J1.A7@10.85,5.633
USB_P: D5.3 J1.A6 J1.B6 R12.1 | length 13
  Top Layer w0.2: D5.3@9.242,11.113 9.967,11.113 ; R12.1@9.742,15.713 9.817,15.713 10.067,15.463 10.067,15.388 10.193,15.262 10.193,11.339 9.967,11.113 ; 10.424,5.107 10.424,4.71 10.85,4.284 J1.B6@10.85,4.25 ; 10.424,5.14 10,5.564 10,5.633 10,6.278 10.2,6.478 10.193,6.485 10.193,8.9 10.193,10.887 9.967,11.113
VBUS: C7.1 FB1.1 J1.A4 J1.A9 J1.B4 J1.B9 | length 22.2
  Top Layer w0.2: J1.B9@8.3,4.25 J1.A4@8.3,5.6
  Top Layer w0.6: J1.B4 J1.A9 12.551,5.612 12.551,9.237 13.059,9.745 C7.1 ; C7.1@15.301,9.88 15.778,10.357 15.778,10.412 16.149,10.782 18.978,10.782 20.316,9.445 FB1.1
  Bottom Layer w0.2: J1.B9@8.3,4.25 8.356,4.194 8.356,3.625 8.699,3.282 12.124,3.282 12.55,3.708 J1.B4@12.55,4.25
VCC: C1.1 C4.1 C5.1 C6.1 C9.1 C16.1 D1.2 D2.2 J2.2 Q1.1 Q1.2 Q1.5 Q1.6 R1.1 R7.1 R13.2 U1.7 U1.28 U2.20 U3.24 | length 26.7
  Top Layer w0.2: v1(21.666,22.345) 22.466,22.345 ; v1(24.366,26.395) 24.366,25.247 R7.1@24.367,25.246 ; v1(25.341,18.52) 25.841,18.02 C6.1@26.641,18.02 ; Q1.5 Q1.2 ; R13.2 26.816,11.487 27.466,12.137 v1(27.466,13.12) ; C1.1@31.296,18.165 31.296,18.95 31.741,19.395 v1(31.741,19.495) ; C1.1@31.658,17.789 32.18,17.267 U1.28 ; U3.24 35.023,25.972 35.049,25.945 v1(36.191,25.945) ; U1.7 46.528,18.067 46.696,18.235 46.701,18.23 46.701,16.585 46.891,16.395 v1(48.341,16.395) ; U2.20 C5.1@48.993,25.999 ; C5.1@49.068,25.999 C5.1@48.993,25.999 ; v1(50.028,26.944) 50.028,26.201 49.826,25.999 C5.1@48.993,25.999
  Top Layer w0.6: Q1.6 v1(27.466,13.12) Q1.1
  other v1: 27.466,14.07
pads on no net: D5.1 J1.A8 J1.B8 J2.6 SW1.1 SW1.3 U1.12 U1.13 U1.27 U1.33 U1.34 U1.38 U1.39 U1.40 U3.11 U3.14 U3.23 U4.5 U4.8 U4.18

## Polygon pours and split planes (outlines as drawn)
GND on Top Layer "GND_L01_P003" (solid, remove dead copper, pour order 3): -0.75,-0.3 57.05,-0.3 57.05,58.1 -0.75,58.1
GND on Layer 1 "GND_L02_P002" (solid, remove dead copper, pour order 2): 56.935,-0.3 56.935,58.15 -0.4,58.15 -0.4,-0.3
VCC on Layer 2 "VCC_L03_P000" (solid, remove dead copper, pour order 0): 57.025,-0.325 57.025,58.118 -0.375,58.118 -0.375,-0.325
GND on Bottom Layer "GND_L04_P001" (solid, remove dead copper, pour order 1): 56.975,-0.3 56.975,58.15 -0.425,58.15 -0.425,-0.3

## Keep-outs
Top Layer:
  region: 31.658,15.937 30.641,14.92 30.641,12.77 27.74,9.869 27.74,9.131 27.283,8.674 26.604,8.674 26.191,8.26 26.191,5.62 26.587,5.224 32.545,5.224 32.866,5.544 32.866,8.208 32.4,8.674 31.703,8.674 31.296,9.081 31.296,11.6 31.891,12.195 31.891,13.841 32.647,14.597 34.169,14.597 34.187,14.616 34.187,15.937
Keep-Out Layer:
  the board outline again, w0.05

## Silkscreen, mask and mechanical layers (free items; w line width, h text height)
Top Overlay:
  drawing of 77 lines, arcs and shapes, not listed
  text "UG488 / USB GPIB Adapter" at 0,41.35 h2
  text "SILICONVALLEYGARAGE" at 8.95,20.172 h2.3 r90
  text "INSTRUMENTS" at 13.604,20.172 h2.3 r90
  text "vincent-himpe/USBGPIB" at 4.348,11.333 h1.1 r90
  text "Galvant/gpibusb-firmware" at 2.4,11.025 h1.1 r90
  text "GITHUB" at 3.046,6.733 h0.9 r90
Board Layer Stack Bottom Overlay:
  lines w0.4: 25.521,23.201 cw(c25.521,24.201) 24.521,24.201 24.521,28.201 cw(c25.521,28.201) 25.521,29.201 46.533,29.201 ; 25.521,23.211 46.533,23.211 ccw(c46.533,24.211) 47.533,24.211 47.533,28.211 ccw(c46.533,28.211) 46.533,29.211
  text "USB GPIB Adapter" at 45.508,25.061 h2.5
Board:
  the board outline again, w0.05

## Text inside footprints (layer, text, board x,y; h text height)
D1: Top Overlay "+" at 45.354,5.999 h0.8 r45
D2: Top Overlay "+" at 49.354,5.999 h0.8 r45
D3: Top Overlay "+" at 41.354,5.999 h0.8 r45
D4: Top Overlay "+" at 37.354,5.999 h0.8 r45
D5: Top Assembly "1" at 8.642,12.688 h0.3
P1: Top Courtyard "BOARD EDGE" at 24.016,60.185 h1
Q1: Top Assembly "1" at 29.241,13.445 h0.3 r180
SW1: Top Assembly "1" at 25.741,25.695 h1 r270
U1: Top Assembly "1" at 45.787,13.537 h0.3 r180
U2: Top Assembly "1" at 48.693,38.394 h0.3 r270
U3: Top Assembly "1" at 34.748,38.494 h0.3 r270
U4: Top Assembly "1" at 22.925,13.85 h0.3 r180